# KiCad board power-module-2x2.kicad_pcb
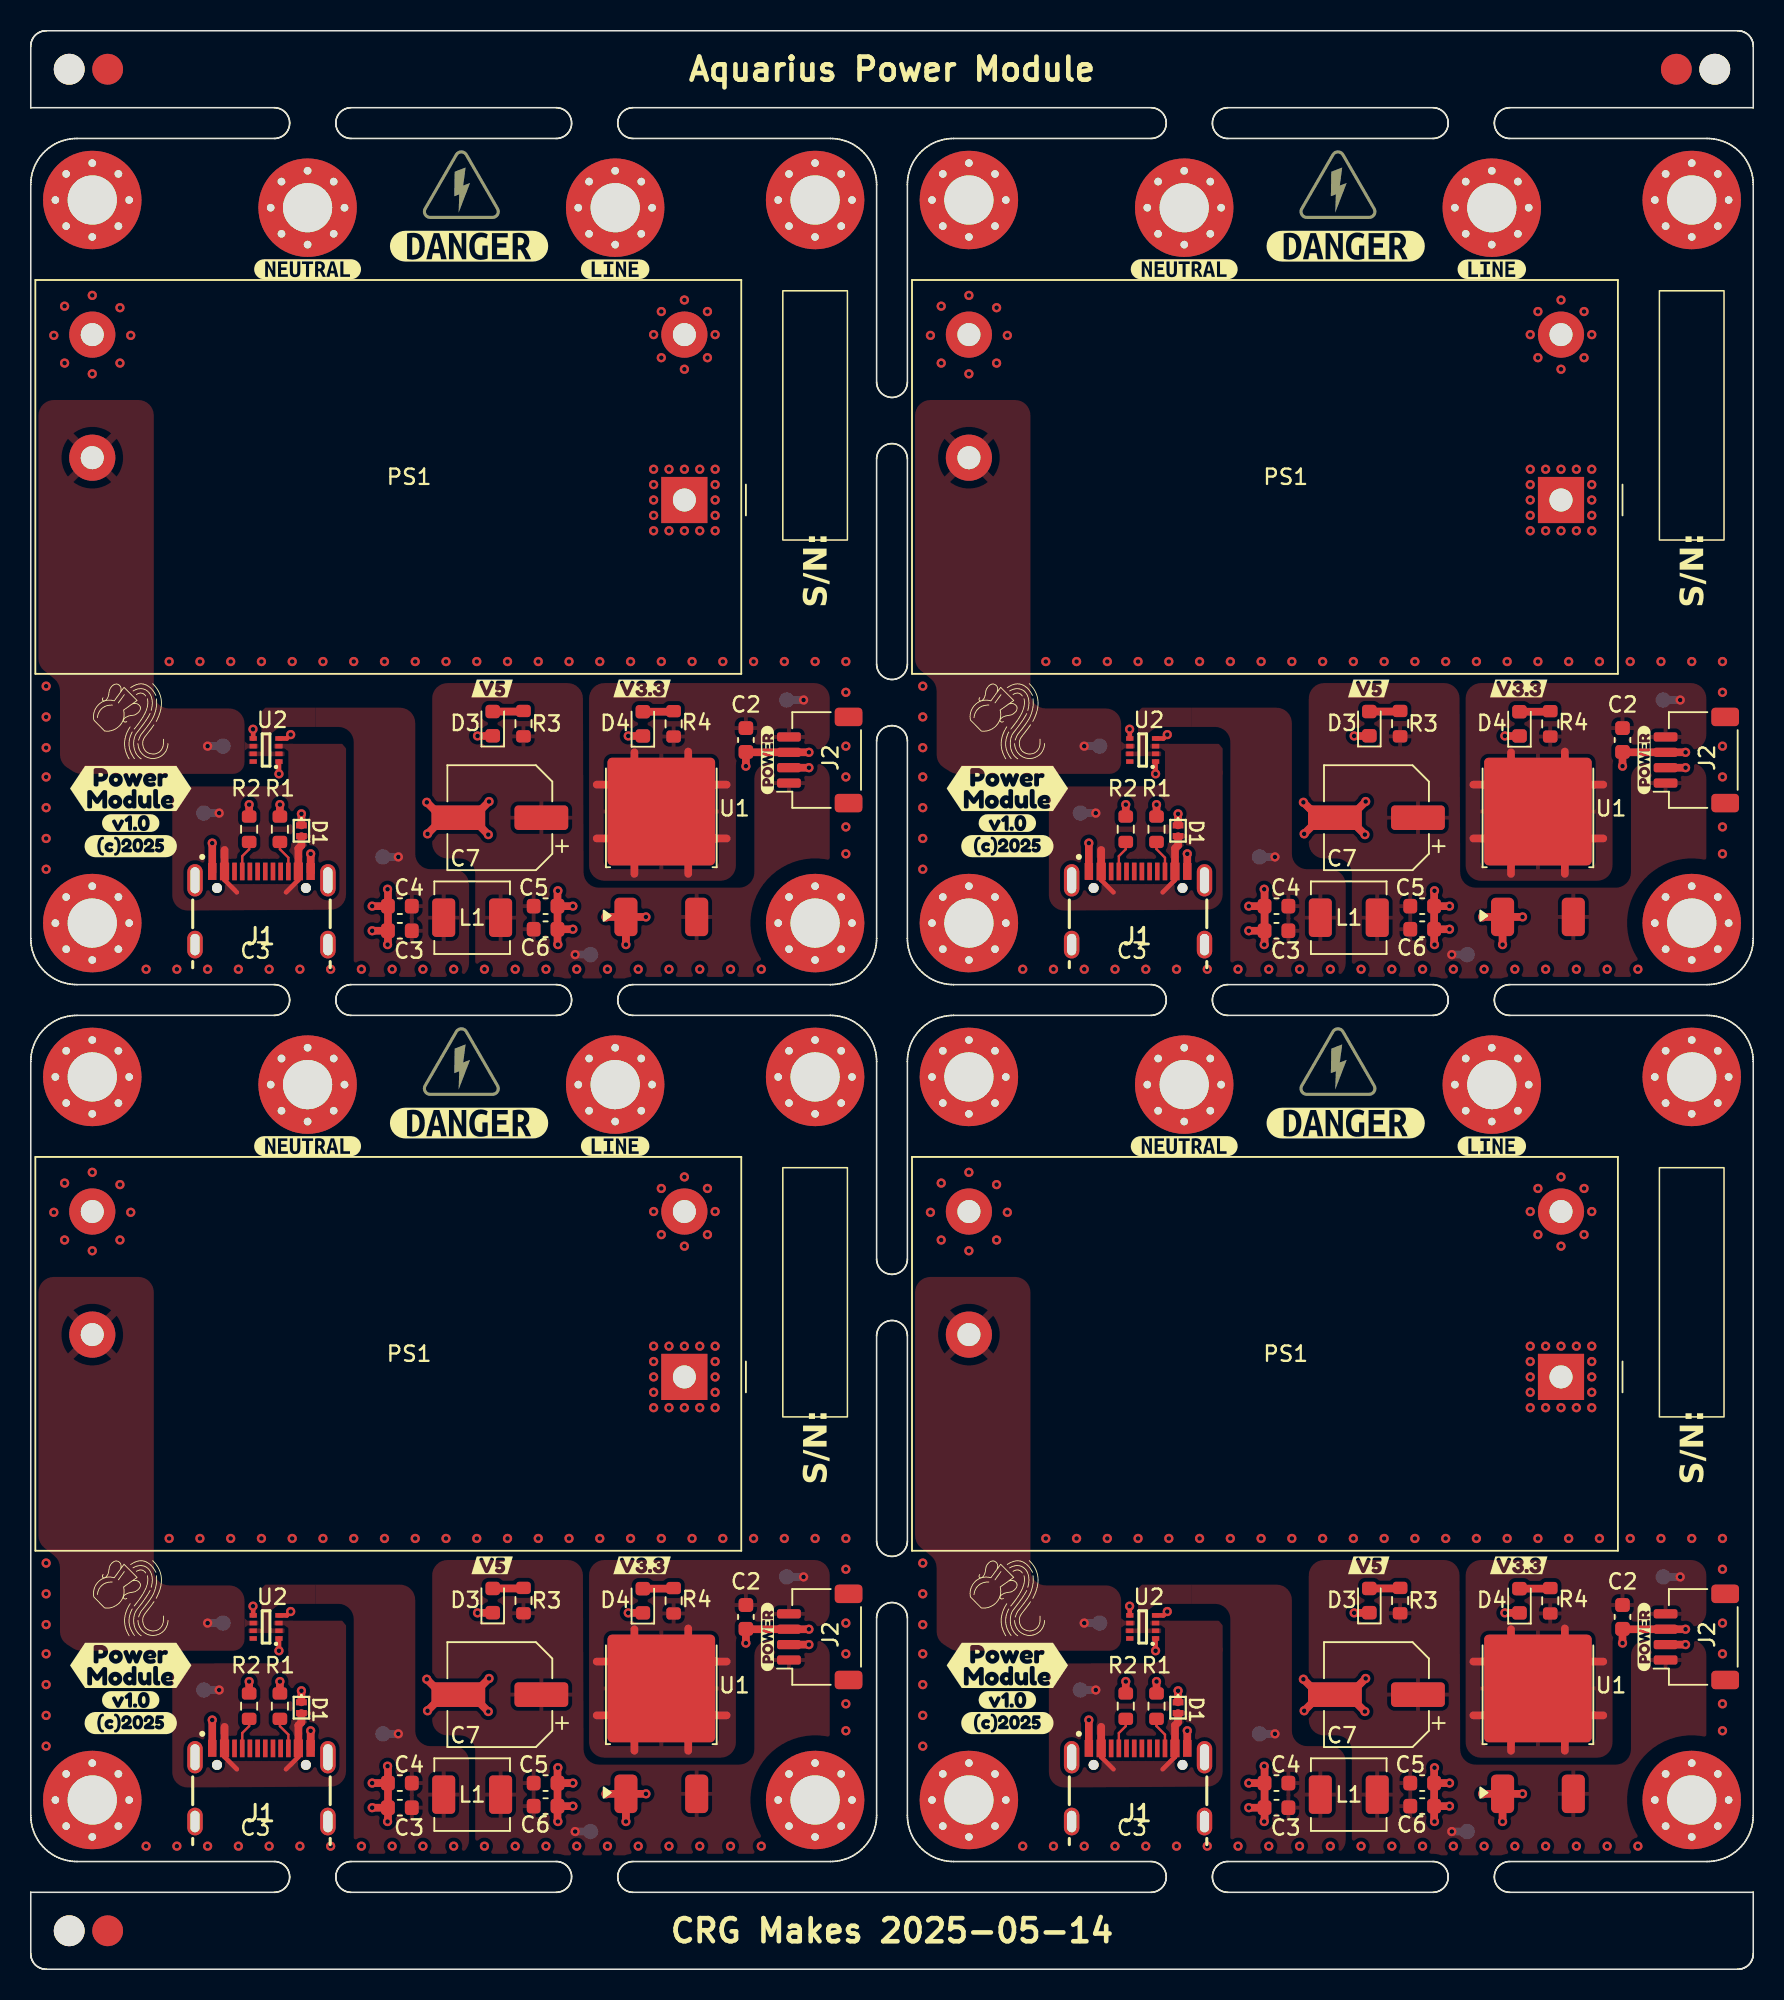
[diagram p0: board, top side]
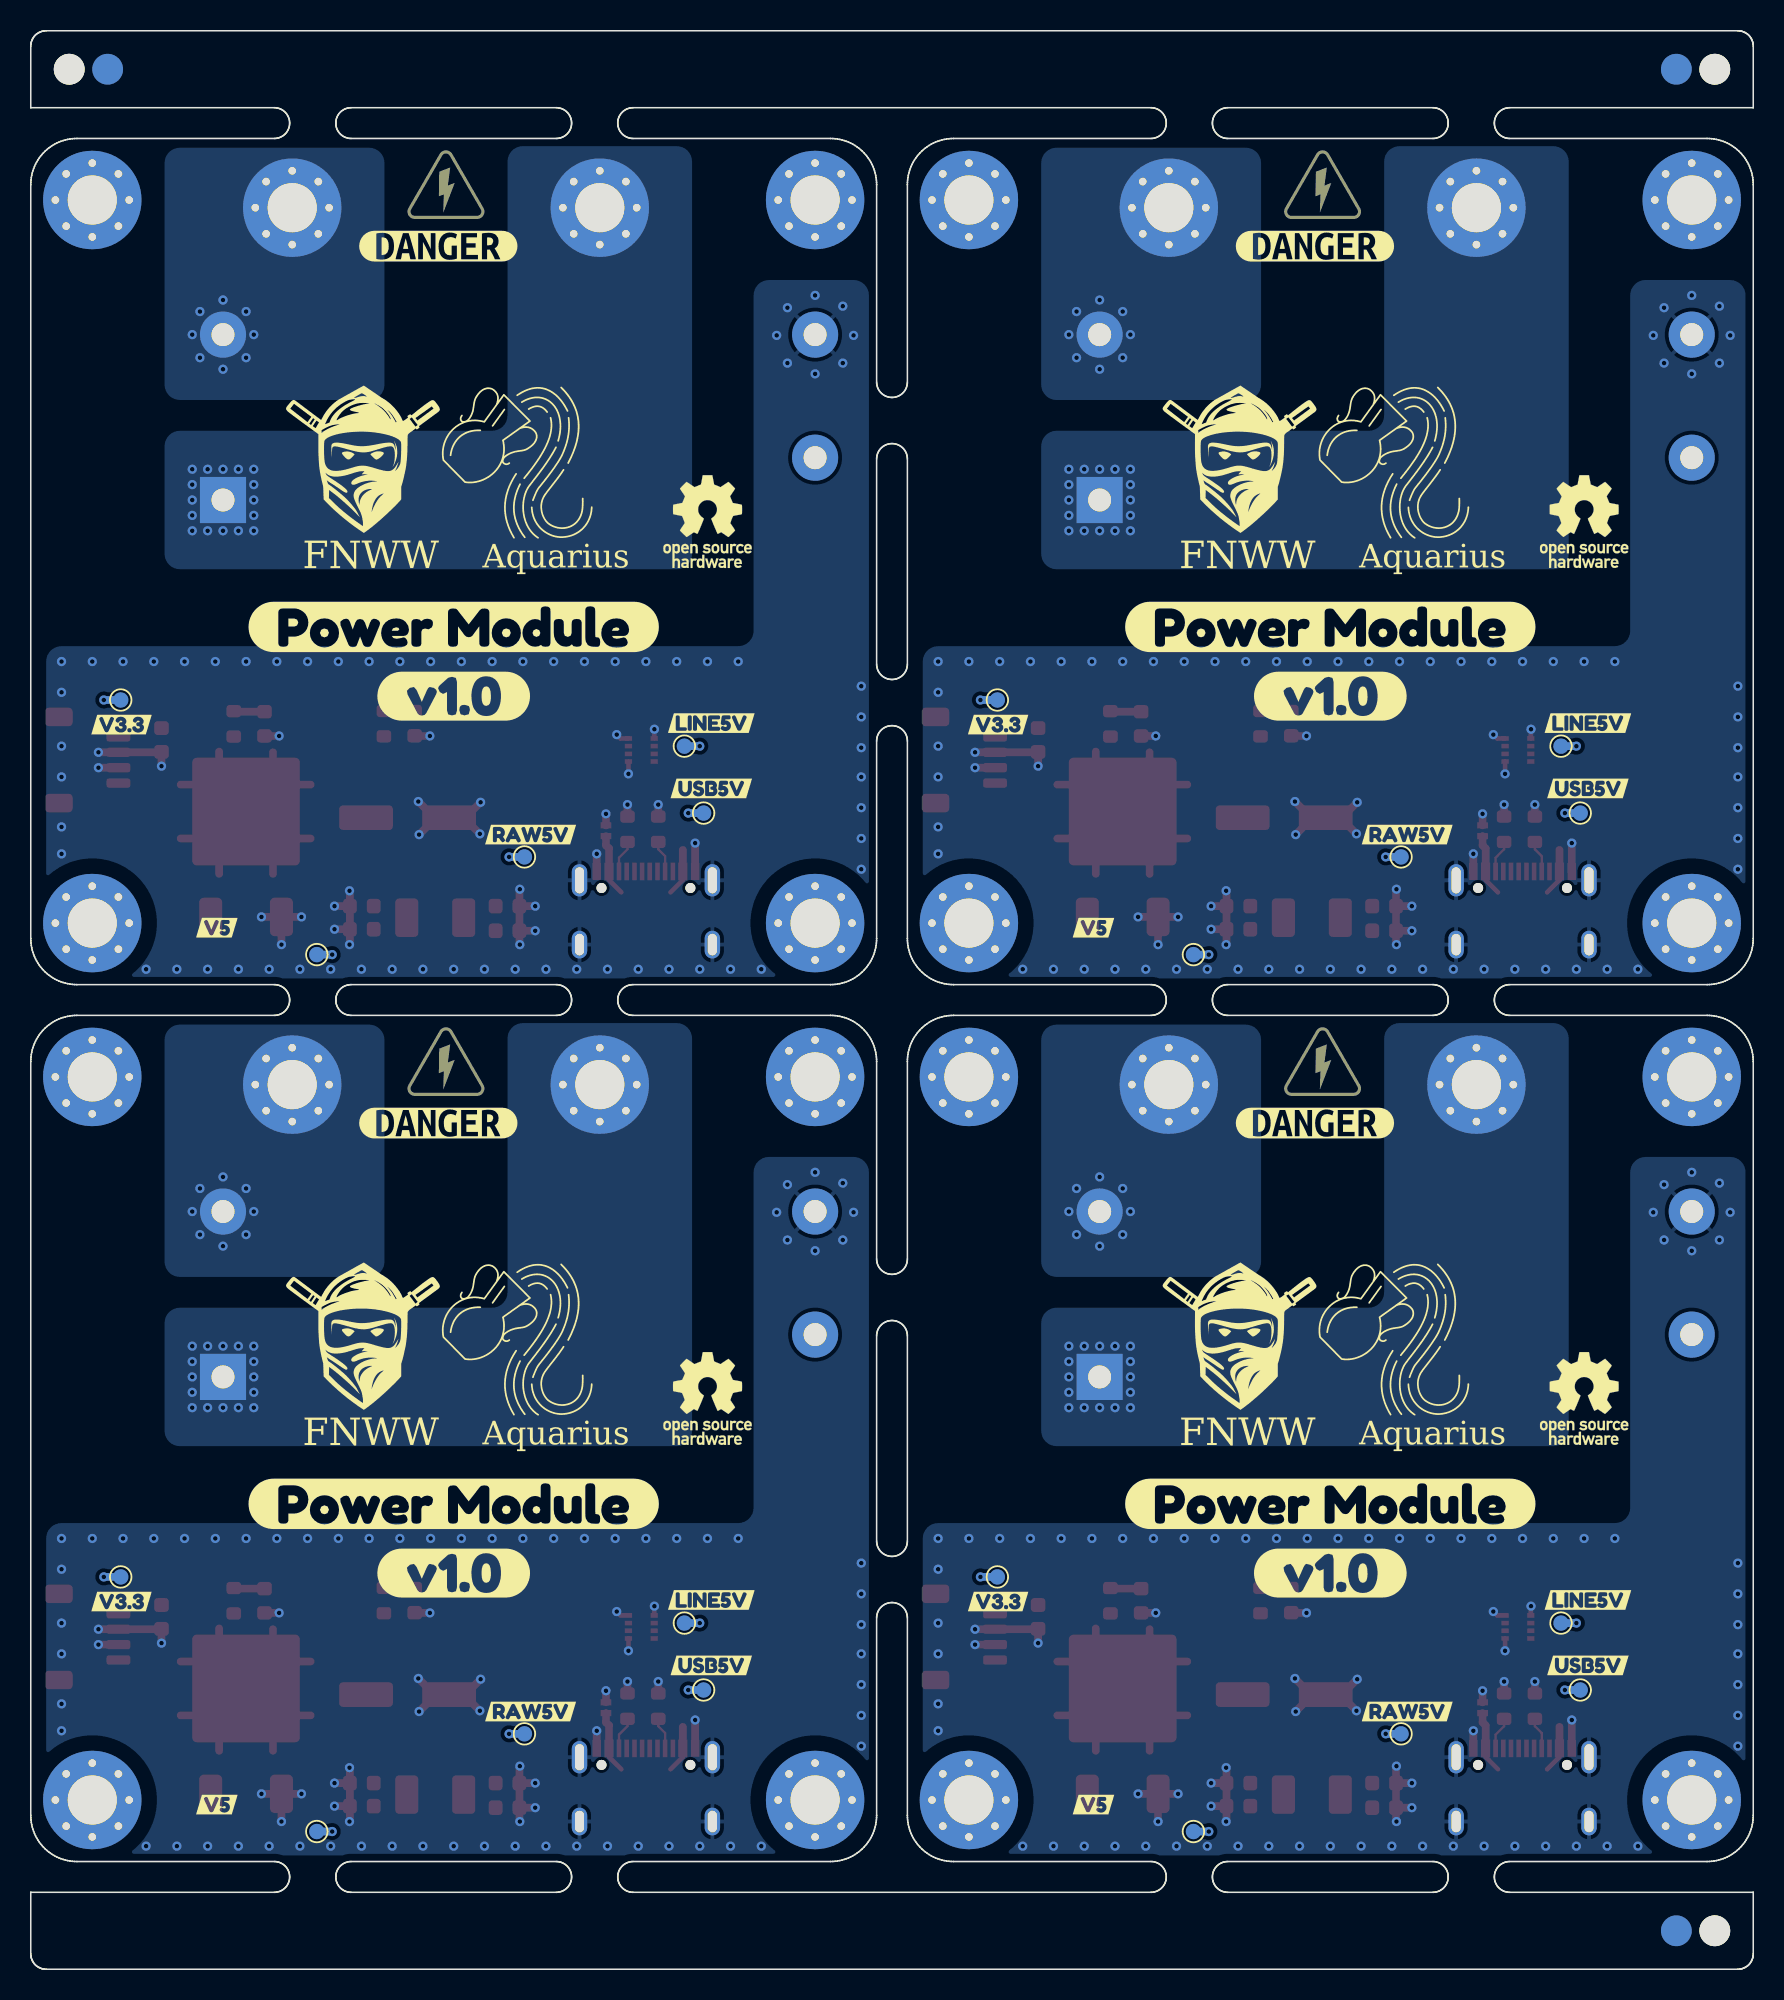
[diagram p1: board, bottom side, seen from below]

Outline 112 x 126 mm; copper layers: Top, In1.Cu, In2.Cu, Bottom. Coordinates in mm from the lower left corner of the outline.
Stack: Top 0.035mm / dielectric 0.1mm FR4 er 3.91 / In1.Cu 0.012mm / dielectric 1.24mm FR4 er 4.5 / In2.Cu 0.012mm / dielectric 0.1mm FR4 er 3.91 / Bottom 0.035mm

## Placement (name value [footprint] x y rotation side)
C2  22uF  [C_0603_1608Metric]  103.5 22.9 270 top
C2#2  22uF  [C_0603_1608Metric]  46.5 22.9 270 top
C2#3  22uF  [C_0603_1608Metric]  103.5 79.9 270 top
C2#4  22uF  [C_0603_1608Metric]  46.5 79.9 270 top
C3  10uF  [C_0603_1608Metric]  81 67.5 180 top
C3#2  10uF  [C_0603_1608Metric]  81 10.5 180 top
C3#3  10uF  [C_0603_1608Metric]  24 10.5 180 top
C3#4  10uF  [C_0603_1608Metric]  24 67.5 180 top
C4  10uF  [C_0603_1608Metric]  24 12.1 180 top
C4#2  10uF  [C_0603_1608Metric]  81 69.1 180 top
C4#3  10uF  [C_0603_1608Metric]  24 69.1 180 top
C4#4  10uF  [C_0603_1608Metric]  81 12.1 180 top
C5  10uF  [C_0603_1608Metric]  33.47 69.1 0 top
C5#2  10uF  [C_0603_1608Metric]  90.47 69.1 0 top
C5#3  10uF  [C_0603_1608Metric]  90.47 12.1 0 top
C5#4  10uF  [C_0603_1608Metric]  33.47 12.1 0 top
C6  10uF  [C_0603_1608Metric]  90.47 10.6 0 top
C6#2  10uF  [C_0603_1608Metric]  33.47 67.6 0 top
C6#3  10uF  [C_0603_1608Metric]  90.47 67.6 0 top
C6#4  10uF  [C_0603_1608Metric]  33.47 10.6 0 top
C7  100uF  [CP_Elec_6.3x7.7]  87.5 74.85 180 top
C7#2  100uF  [CP_Elec_6.3x7.7]  30.5 17.85 180 top
C7#3  100uF  [CP_Elec_6.3x7.7]  87.5 17.85 180 top
C7#4  100uF  [CP_Elec_6.3x7.7]  30.5 74.85 180 top
D1  PESD5V5C1BL  [DFN1006-2]  17.6 74 270 top
D1#2  PESD5V5C1BL  [DFN1006-2]  74.6 17 270 top
D1#3  PESD5V5C1BL  [DFN1006-2]  74.6 74 270 top
D1#4  PESD5V5C1BL  [DFN1006-2]  17.6 17 270 top
D3  Orange  [LED_0603_1608Metric]  30.04 23.96 90 top
D3#2  Orange  [LED_0603_1608Metric]  87.04 23.96 90 top
D3#3  Orange  [LED_0603_1608Metric]  30.04 80.96 90 top
D3#4  Orange  [LED_0603_1608Metric]  87.04 80.96 90 top
D4  Blue  [LED_0603_1608Metric]  96.8 80.95 90 top
D4#2  Blue  [LED_0603_1608Metric]  96.8 23.95 90 top
D4#3  Blue  [LED_0603_1608Metric]  39.8 80.95 90 top
D4#4  Blue  [LED_0603_1608Metric]  39.8 23.95 90 top
H1  MountingHole_Pad  [MountingHole_3.2mm_M3_Pad_Via]  95 114.5 0 top
H1#2  MountingHole_Pad  [MountingHole_3.2mm_M3_Pad_Via]  38 57.5 0 top
H1#3  MountingHole_Pad  [MountingHole_3.2mm_M3_Pad_Via]  38 114.5 0 top
H1#4  MountingHole_Pad  [MountingHole_3.2mm_M3_Pad_Via]  95 57.5 0 top
H2  MountingHole_Pad  [MountingHole_3.2mm_M3_Pad_Via]  75 114.5 0 top
H2#2  MountingHole_Pad  [MountingHole_3.2mm_M3_Pad_Via]  18 57.5 0 top
H2#3  MountingHole_Pad  [MountingHole_3.2mm_M3_Pad_Via]  18 114.5 0 top
H2#4  MountingHole_Pad  [MountingHole_3.2mm_M3_Pad_Via]  75 57.5 0 top
H3  MountingHole  [MountingHole_3.2mm_M3_Pad_Via]  61 11 0 top
H3#2  MountingHole  [MountingHole_3.2mm_M3_Pad_Via]  4 68 0 top
H3#3  MountingHole  [MountingHole_3.2mm_M3_Pad_Via]  61 68 0 top
H3#4  MountingHole  [MountingHole_3.2mm_M3_Pad_Via]  4 11 0 top
H4  MountingHole  [MountingHole_3.2mm_M3_Pad_Via]  51 11 0 top
H4#2  MountingHole  [MountingHole_3.2mm_M3_Pad_Via]  108 11 0 top
H4#3  MountingHole  [MountingHole_3.2mm_M3_Pad_Via]  108 68 0 top
H4#4  MountingHole  [MountingHole_3.2mm_M3_Pad_Via]  51 68 0 top
H5  MountingHole  [MountingHole_3.2mm_M3_Pad_Via]  51 115 0 top
H5#2  MountingHole  [MountingHole_3.2mm_M3_Pad_Via]  108 115 0 top
H5#3  MountingHole  [MountingHole_3.2mm_M3_Pad_Via]  51 58 0 top
H5#4  MountingHole  [MountingHole_3.2mm_M3_Pad_Via]  108 58 0 top
H6  MountingHole  [MountingHole_3.2mm_M3_Pad_Via]  4 58 0 top
H6#2  MountingHole  [MountingHole_3.2mm_M3_Pad_Via]  61 115 0 top
H6#3  MountingHole  [MountingHole_3.2mm_M3_Pad_Via]  4 115 0 top
H6#4  MountingHole  [MountingHole_3.2mm_M3_Pad_Via]  61 58 0 top
J1  USB_C_PowerOnly_6P  [GCT_USB4105-GF-A]  15 9.6 0 top
J1#2  USB_C_PowerOnly_6P  [GCT_USB4105-GF-A]  15 66.6 0 top
J1#3  USB_C_PowerOnly_6P  [GCT_USB4105-GF-A]  72 9.6 0 top
J1#4  USB_C_PowerOnly_6P  [GCT_USB4105-GF-A]  72 66.6 0 top
J2  Power  [JST_SH_SM04B-SRSS-TB_1x04-1MP_P1.00mm_Horizontal]  108.3 78.6 90 top
J2#2  Power  [JST_SH_SM04B-SRSS-TB_1x04-1MP_P1.00mm_Horizontal]  51.3 21.6 90 top
J2#3  Power  [JST_SH_SM04B-SRSS-TB_1x04-1MP_P1.00mm_Horizontal]  51.3 78.6 90 top
J2#4  Power  [JST_SH_SM04B-SRSS-TB_1x04-1MP_P1.00mm_Horizontal]  108.3 21.6 90 top
kibuzzard-67E1D06C  G***  [kibuzzard-67E1D06C]  28.5 55 0 top
kibuzzard-67E1D06C#2  G***  [kibuzzard-67E1D06C]  28.5 112 0 top
kibuzzard-67E1D06C#3  G***  [kibuzzard-67E1D06C]  85.5 55 0 top
kibuzzard-67E1D06C#4  G***  [kibuzzard-67E1D06C]  85.5 112 0 top
kibuzzard-67E1D06C#5  G***  [kibuzzard-67E1D06C]  28.5 55 180 bottom
kibuzzard-67E1D06C#6  G***  [kibuzzard-67E1D06C]  85.5 55 180 bottom
kibuzzard-67E1D06C#7  G***  [kibuzzard-67E1D06C]  28.5 112 180 bottom
kibuzzard-67E1D06C#8  G***  [kibuzzard-67E1D06C]  85.5 112 180 bottom
kibuzzard-67E31E9F  G***  [kibuzzard-67E31E9F]  63.5 17.5 0 top
kibuzzard-67E31E9F#2  G***  [kibuzzard-67E31E9F]  63.5 74.5 0 top
kibuzzard-67E31E9F#3  G***  [kibuzzard-67E31E9F]  6.5 74.5 0 top
kibuzzard-67E31E9F#4  G***  [kibuzzard-67E31E9F]  6.5 17.5 0 top
kibuzzard-67F465A8  G***  [kibuzzard-67F465A8]  95 53.5 0 top
kibuzzard-67F465A8#2  G***  [kibuzzard-67F465A8]  38 110.5 0 top
kibuzzard-67F465A8#3  G***  [kibuzzard-67F465A8]  95 110.5 0 top
kibuzzard-67F465A8#4  G***  [kibuzzard-67F465A8]  38 53.5 0 top
kibuzzard-67F873C9  G***  [kibuzzard-67F873C9]  27.5 30.25 180 bottom
kibuzzard-67F873C9#2  G***  [kibuzzard-67F873C9]  84.5 30.25 180 bottom
kibuzzard-67F873C9#3  G***  [kibuzzard-67F873C9]  84.5 87.25 180 bottom
kibuzzard-67F873C9#4  G***  [kibuzzard-67F873C9]  27.5 87.25 180 bottom
kibuzzard-67F873E4  G***  [kibuzzard-67F873E4]  27.5 82.75 180 bottom
kibuzzard-67F873E4#2  G***  [kibuzzard-67F873E4]  27.5 25.75 180 bottom
kibuzzard-67F873E4#3  G***  [kibuzzard-67F873E4]  84.5 25.75 180 bottom
kibuzzard-67F873E4#4  G***  [kibuzzard-67F873E4]  84.5 82.75 180 bottom
kibuzzard-681BE833  G***  [kibuzzard-681BE833]  104.9 21.6 90 top
kibuzzard-681BE833#2  G***  [kibuzzard-681BE833]  47.9 78.6 90 top
kibuzzard-681BE833#3  G***  [kibuzzard-681BE833]  104.9 78.6 90 top
kibuzzard-681BE833#4  G***  [kibuzzard-681BE833]  47.9 21.6 90 top
kibuzzard-681CF8FE  G***  [kibuzzard-681CF8FE]  63.5 73 0 top
kibuzzard-681CF8FE#2  G***  [kibuzzard-681CF8FE]  6.5 73 0 top
kibuzzard-681CF8FE#3  G***  [kibuzzard-681CF8FE]  63.5 16 0 top
kibuzzard-681CF8FE#4  G***  [kibuzzard-681CF8FE]  6.5 16 0 top
kibuzzard-681CF78D  G***  [kibuzzard-681CF78D]  6.5 76.75 0 top
kibuzzard-681CF78D#2  G***  [kibuzzard-681CF78D]  63.5 19.75 0 top
kibuzzard-681CF78D#3  G***  [kibuzzard-681CF78D]  63.5 76.75 0 top
kibuzzard-681CF78D#4  G***  [kibuzzard-681CF78D]  6.5 19.75 0 top
kibuzzard-6823F461  G***  [kibuzzard-6823F461]  87 83.25 0 top
kibuzzard-6823F461#2  G***  [kibuzzard-6823F461]  30 26.25 0 top
kibuzzard-6823F461#3  G***  [kibuzzard-6823F461]  87 26.25 0 top
kibuzzard-6823F461#4  G***  [kibuzzard-6823F461]  30 83.25 0 top
kibuzzard-6823F476  G***  [kibuzzard-6823F476]  96.75 26.25 0 top
kibuzzard-6823F476#2  G***  [kibuzzard-6823F476]  39.75 26.25 0 top
kibuzzard-6823F476#3  G***  [kibuzzard-6823F476]  39.75 83.25 0 top
kibuzzard-6823F476#4  G***  [kibuzzard-6823F476]  96.75 83.25 0 top
kibuzzard-6810421E  G***  [kibuzzard-6810421E]  67.75 24 180 bottom
kibuzzard-6810421E#2  G***  [kibuzzard-6810421E]  67.75 81 180 bottom
kibuzzard-6810421E#3  G***  [kibuzzard-6810421E]  10.75 24 180 bottom
kibuzzard-6810421E#4  G***  [kibuzzard-6810421E]  10.75 81 180 bottom
kibuzzard-6810424A  G***  [kibuzzard-6810424A]  79.5 73.75 180 bottom
kibuzzard-6810424A#2  G***  [kibuzzard-6810424A]  79.5 16.75 180 bottom
kibuzzard-6810424A#3  G***  [kibuzzard-6810424A]  22.5 73.75 180 bottom
kibuzzard-6810424A#4  G***  [kibuzzard-6810424A]  22.5 16.75 180 bottom
kibuzzard-6810427B  G***  [kibuzzard-6810427B]  106.1 23.9 180 bottom
kibuzzard-6810427B#2  G***  [kibuzzard-6810427B]  49.1 23.9 180 bottom
kibuzzard-6810427B#3  G***  [kibuzzard-6810427B]  106.1 80.9 180 bottom
kibuzzard-6810427B#4  G***  [kibuzzard-6810427B]  49.1 80.9 180 bottom
kibuzzard-68084394  G***  [kibuzzard-68084394]  18 53.5 0 top
kibuzzard-68084394#2  G***  [kibuzzard-68084394]  18 110.5 0 top
kibuzzard-68084394#3  G***  [kibuzzard-68084394]  75 110.5 0 top
kibuzzard-68084394#4  G***  [kibuzzard-68084394]  75 53.5 0 top
kibuzzard-68104254  G***  [kibuzzard-68104254]  10.75 19.75 180 bottom
kibuzzard-68104254#2  G***  [kibuzzard-68104254]  67.75 19.75 180 bottom
kibuzzard-68104254#3  G***  [kibuzzard-68104254]  10.75 76.75 180 bottom
kibuzzard-68104254#4  G***  [kibuzzard-68104254]  67.75 76.75 180 bottom
kibuzzard-68104292  G***  [kibuzzard-68104292]  99.9 10.7 180 bottom
kibuzzard-68104292#2  G***  [kibuzzard-68104292]  42.9 10.7 180 bottom
kibuzzard-68104292#3  G***  [kibuzzard-68104292]  42.9 67.7 180 bottom
kibuzzard-68104292#4  G***  [kibuzzard-68104292]  99.9 67.7 180 bottom
KiKit_FID_B_1  -  [Fiducial]  5 123.5 180 bottom
KiKit_FID_B_2  -  [Fiducial]  107 123.5 180 bottom
KiKit_FID_B_3  -  [Fiducial]  5 2.5 180 bottom
KiKit_FID_T_1  -  [Fiducial]  5 123.5 0 top
KiKit_FID_T_2  -  [Fiducial]  107 123.5 0 top
KiKit_FID_T_3  -  [Fiducial]  5 2.5 0 top
KiKit_TO_1  -  [NPTH]  2.5 123.5 0 top
KiKit_TO_2  -  [NPTH]  109.5 123.5 0 top
KiKit_TO_3  -  [NPTH]  2.5 2.5 0 top
L1  2.2u  [L_Sunlord_MWSA0402S]  28.7 68.35 0 top
L1#2  2.2u  [L_Sunlord_MWSA0402S]  85.7 68.35 0 top
L1#3  2.2u  [L_Sunlord_MWSA0402S]  28.7 11.35 0 top
L1#4  2.2u  [L_Sunlord_MWSA0402S]  85.7 11.35 0 top
LOGO1  ~  [FNWW Face 10mm]  90.35 93.11 180 bottom
LOGO1#2  ~  [FNWW Face 10mm]  33.35 36.11 180 bottom
LOGO1#3  ~  [FNWW Face 10mm]  90.35 36.11 180 bottom
LOGO1#4  ~  [FNWW Face 10mm]  33.35 93.11 180 bottom
LOGO2  Logo_Open_Hardware_Small  [OSHW-Logo_5.7x6mm_SilkScreen]  11 37.1 180 bottom
LOGO2#2  Logo_Open_Hardware_Small  [OSHW-Logo_5.7x6mm_SilkScreen]  68 94.1 180 bottom
LOGO2#3  Logo_Open_Hardware_Small  [OSHW-Logo_5.7x6mm_SilkScreen]  68 37.1 180 bottom
LOGO2#4  Logo_Open_Hardware_Small  [OSHW-Logo_5.7x6mm_SilkScreen]  11 94.1 180 bottom
LOGO3  ~  [Aquarius Logo 10mm]  23.01 35.76 180 bottom
LOGO3#2  ~  [Aquarius Logo 10mm]  80.01 35.76 180 bottom
LOGO3#3  ~  [Aquarius Logo 10mm]  80.01 92.76 180 bottom
LOGO3#4  ~  [Aquarius Logo 10mm]  23.01 92.76 180 bottom
LOGO4  ~  [Aquarius Logo 5mm]  6.43 21.4 0 top
LOGO4#2  ~  [Aquarius Logo 5mm]  63.43 21.4 0 top
LOGO4#3  ~  [Aquarius Logo 5mm]  63.43 78.4 0 top
LOGO4#4  ~  [Aquarius Logo 5mm]  6.43 78.4 0 top
PS1  IRM-10-5  [Converter_ACDC_MeanWell_IRM-10-xx_THT]  99.5 95.5 180 top
PS1#2  IRM-10-5  [Converter_ACDC_MeanWell_IRM-10-xx_THT]  99.5 38.5 180 top
PS1#3  IRM-10-5  [Converter_ACDC_MeanWell_IRM-10-xx_THT]  42.5 38.5 180 top
PS1#4  IRM-10-5  [Converter_ACDC_MeanWell_IRM-10-xx_THT]  42.5 95.5 180 top
R1  5.1K  [R_0603_1608Metric]  73.2 74.1 90 top
R1#2  5.1K  [R_0603_1608Metric]  73.2 17.1 90 top
R1#3  5.1K  [R_0603_1608Metric]  16.2 17.1 90 top
R1#4  5.1K  [R_0603_1608Metric]  16.2 74.1 90 top
R2  5.1K  [R_0603_1608Metric]  14.2 17.1 90 top
R2#2  5.1K  [R_0603_1608Metric]  71.2 17.1 90 top
R2#3  5.1K  [R_0603_1608Metric]  71.2 74.1 90 top
R2#4  5.1K  [R_0603_1608Metric]  14.2 74.1 90 top
R3  4.7k  [R_0603_1608Metric]  32.04 23.96 90 top
R3#2  4.7k  [R_0603_1608Metric]  89.04 80.96 90 top
R3#3  4.7k  [R_0603_1608Metric]  89.04 23.96 90 top
R3#4  4.7k  [R_0603_1608Metric]  32.04 80.96 90 top
R4  1k  [R_0603_1608Metric]  98.8 23.95 90 top
R4#2  1k  [R_0603_1608Metric]  98.8 80.95 90 top
R4#3  1k  [R_0603_1608Metric]  41.8 23.95 90 top
R4#4  1k  [R_0603_1608Metric]  41.8 80.95 90 top
S1  ~  [HIGH-VOLTAGE-5MM]  28 116 180 bottom
S1#2  ~  [HIGH-VOLTAGE-5MM]  28 59 180 bottom
S1#3  ~  [HIGH-VOLTAGE-5MM]  85 59 180 bottom
S1#4  ~  [HIGH-VOLTAGE-5MM]  85 116 180 bottom
S2  ~  [HIGH-VOLTAGE-5MM]  85 59 0 top
S2#2  ~  [HIGH-VOLTAGE-5MM]  28 59 0 top
S2#3  ~  [HIGH-VOLTAGE-5MM]  28 116 0 top
S2#4  ~  [HIGH-VOLTAGE-5MM]  85 116 0 top
TP1  V5  [TestPoint_Pad_D1.0mm]  36.4 8.95 180 bottom
TP1#2  V5  [TestPoint_Pad_D1.0mm]  93.4 8.95 180 bottom
TP1#3  V5  [TestPoint_Pad_D1.0mm]  36.4 65.95 180 bottom
TP1#4  V5  [TestPoint_Pad_D1.0mm]  93.4 65.95 180 bottom
TP2  RAW_5V  [TestPoint_Pad_D1.0mm]  79.9 15.3 180 bottom
TP2#2  RAW_5V  [TestPoint_Pad_D1.0mm]  79.9 72.3 180 bottom
TP2#3  RAW_5V  [TestPoint_Pad_D1.0mm]  22.9 72.3 180 bottom
TP2#4  RAW_5V  [TestPoint_Pad_D1.0mm]  22.9 15.3 180 bottom
TP3  V33  [TestPoint_Pad_D1.0mm]  49.15 82.5 180 bottom
TP3#2  V33  [TestPoint_Pad_D1.0mm]  49.15 25.5 180 bottom
TP3#3  V33  [TestPoint_Pad_D1.0mm]  106.15 25.5 180 bottom
TP3#4  V33  [TestPoint_Pad_D1.0mm]  106.15 82.5 180 bottom
TP4  LINE_5V  [TestPoint_Pad_D1.0mm]  12.5 79.5 180 bottom
TP4#2  LINE_5V  [TestPoint_Pad_D1.0mm]  12.5 22.5 180 bottom
TP4#3  LINE_5V  [TestPoint_Pad_D1.0mm]  69.5 22.5 180 bottom
TP4#4  LINE_5V  [TestPoint_Pad_D1.0mm]  69.5 79.5 180 bottom
TP5  USB_5V  [TestPoint_Pad_D1.0mm]  11.25 75.15 180 bottom
TP5#2  USB_5V  [TestPoint_Pad_D1.0mm]  68.25 18.15 180 bottom
TP5#3  USB_5V  [TestPoint_Pad_D1.0mm]  68.25 75.15 180 bottom